# Altium PCB MainPCB.PcbDoc (part 3 of 3) (continued)
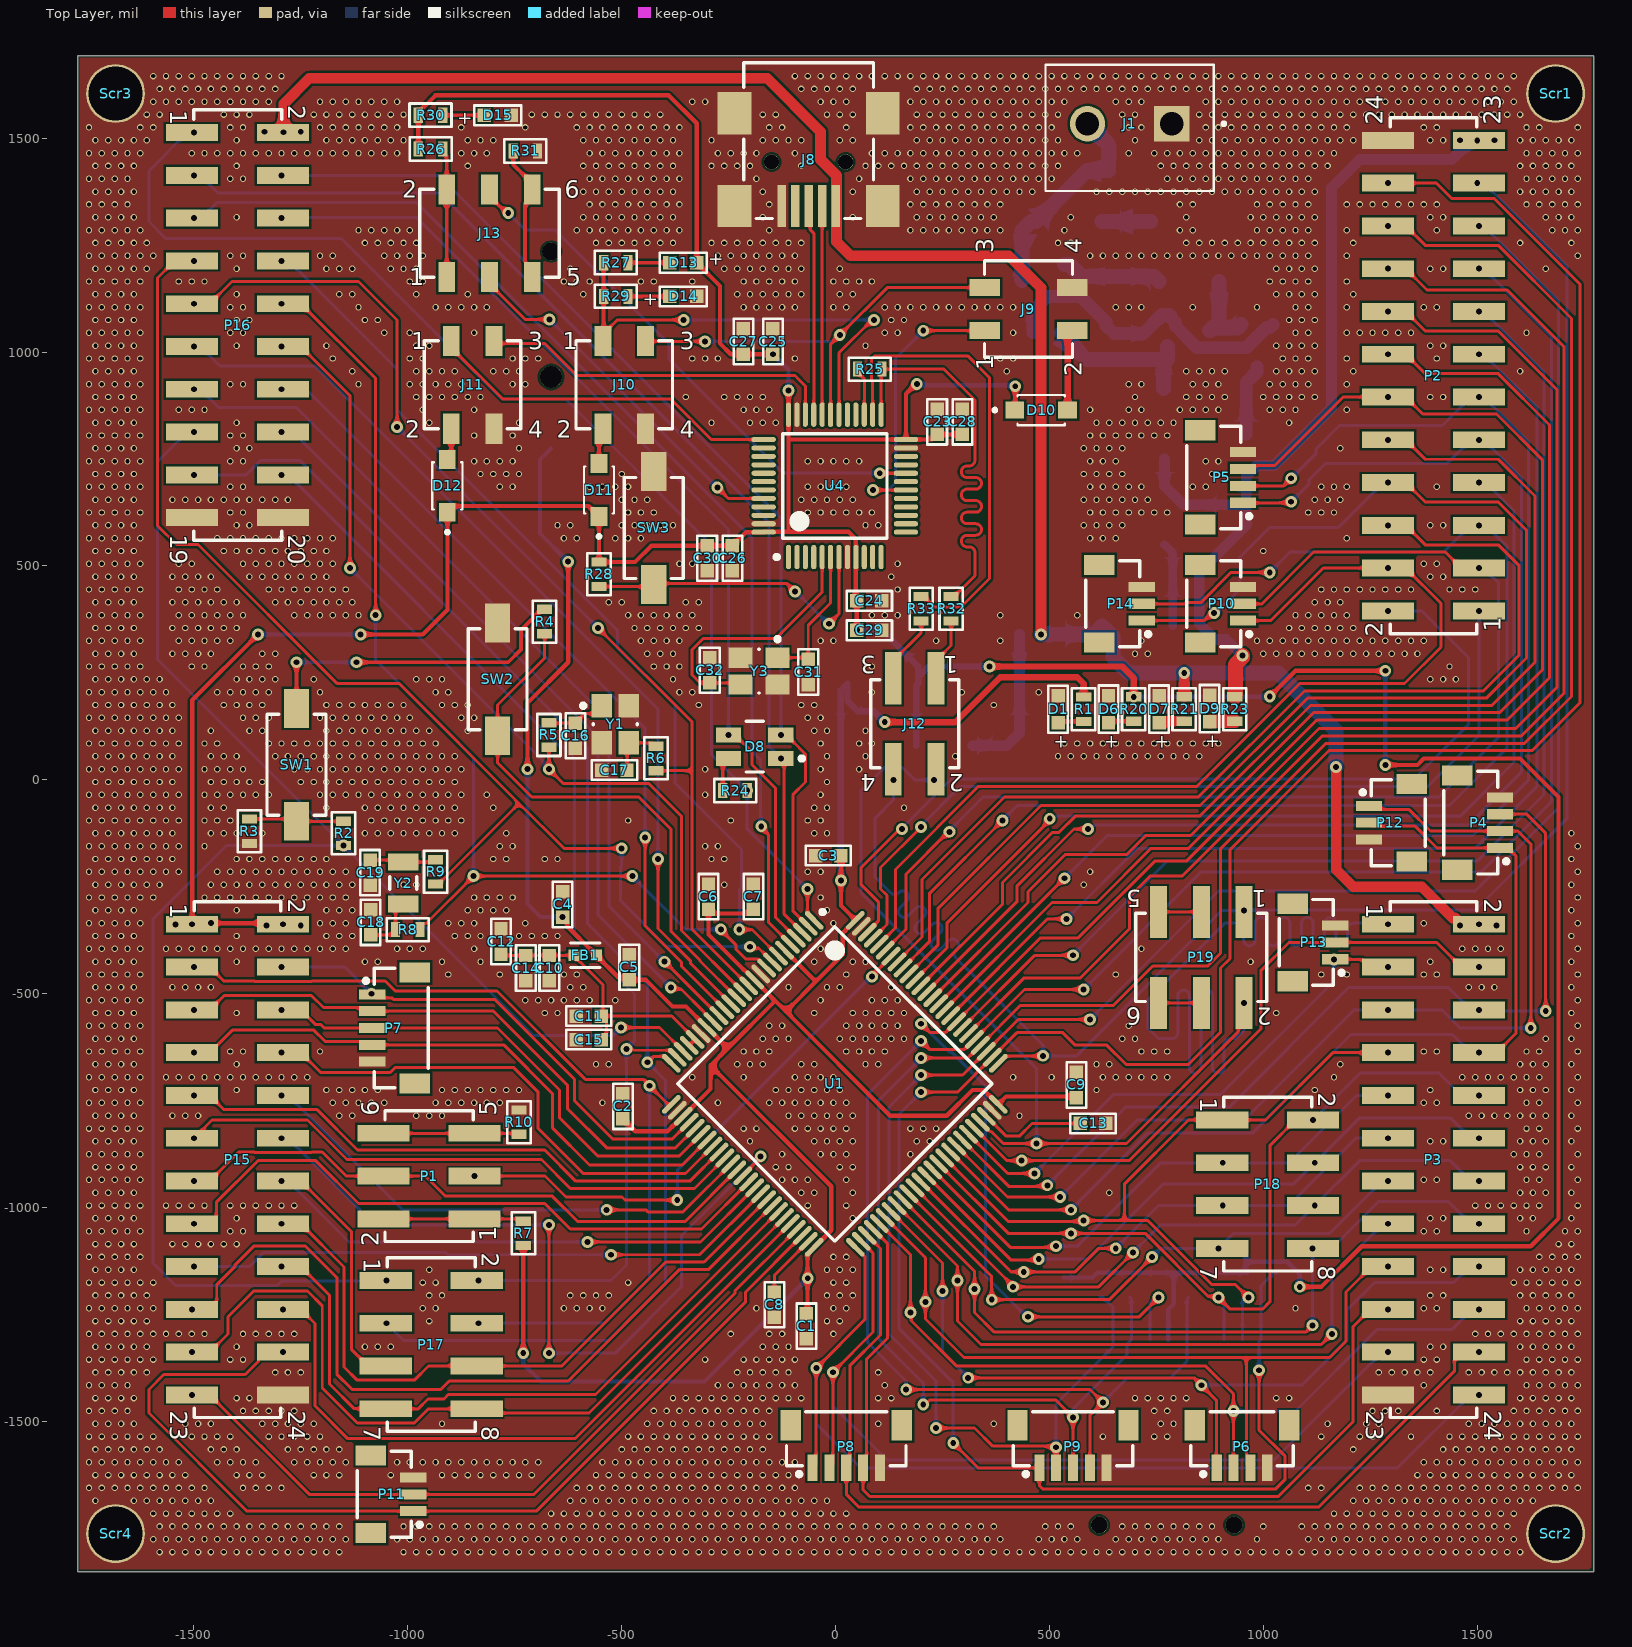
[diagram p0: Top Layer view]
## Nets (pads, with @x,y where several pads share a name; then routed paths per layer and width w, separated by ;. In a path a pad name is that pad's centre, name@x,y a point inside that pad or via, vN(x,y) a via of type N, cw(c..) or ccw(c..) an arc to the next point about the centre after c; other vN are vias at no path point) (continued)
-1550,295 -1520,295 -1490,295 -1460,295 -1340,295 -1310,295 -440,295 -410,295 -380,295 700,295 730,295 1000,295 1030,295 1060,295 1090,295 1120,295 1150,295 1180,295 1210,295 1240,295 1270,295 1300,295 1330,295 1360,295 -1745,325 -1715,325 -1685,325 -1655,325 -1625,325 -1535,325 -1505,325 -1475,325 -1445,325 -1415,325 -455,325 -425,325 -395,325 -365,325 -35,325 -5,325 235,325 385,325 715,325 985,325 1015,325 1045,325 1075,325 1105,325 1135,325 1165,325 1195,325 1225,325 1255,325 1285,325 1315,325 1345,325 1375,325 -1730,355 -1700,355 -1670,355 -1640,355 -1550,355 -1520,355 -1490,355 -1460,355 -1430,355 -1400,355 -470,355 -440,355 -410,355 -380,355 -350,355 -320,355 1060,355 1090,355 1120,355 1150,355 1180,355 1210,355 -1745,385 -1715,385 -1685,385 -1655,385 -1625,385 -1535,385 -1505,385 -1475,385 -1445,385 -1415,385 -1385,385 -1265,385 -1235,385 -1205,385 -1175,385 -1145,385 -1115,385 -485,385 -455,385 -425,385 -395,385 -365,385 -335,385 85,385 115,385 145,385 385,385 565,385 1075,385 1105,385 1135,385 1165,385 1195,385 -1730,415 -1700,415 -1670,415 -1640,415 -1550,415 -1520,415 -1490,415 -1460,415 -1430,415 -1400,415 -1310,415 -1280,415 -1250,415 -1220,415 -1190,415 -1160,415 -1130,415 -530,415 -500,415 -350,415 -320,415 1120,415 1150,415 1180,415 -1745,445 -1715,445 -1685,445 -1655,445 -1625,445 -1535,445 -1505,445 -1475,445 -1445,445 -1325,445 -1295,445 -1265,445 -1235,445 -1205,445 -1175,445 -1145,445 145,445 1135,445 1165,445 1195,445 1225,445 1255,445 1285,445 1315,445 1345,445 1435,445 1465,445 1495,445 -1730,475 -1700,475 -1670,475 -1640,475 -1550,475 -1520,475 -1490,475 -1460,475 -1370,475 -1340,475 -1310,475 -1280,475 -1250,475 -1220,475 -1190,475 130,475 1390,475 1420,475 -1745,505 -1715,505 -1685,505 -1655,505 -1625,505 -1535,505 -1505,505 -1385,505 -1355,505 -1325,505 -1295,505 -1265,505 -1235,505 -1205,505 -1175,505 -365,505 -335,505 145,505 1375,505 1405,505 -1730,535 -1700,535 -1670,535 -1640,535 -1430,535 -1400,535 -1370,535 -1340,535 -1310,535 -1280,535 -1250,535 -1220,535 -1190,535 1000,535 -1745,565 -1715,565 -1685,565 -1655,565 -1625,565 -1445,565 -1415,565 -1385,565 -1355,565 -1325,565 -1295,565 -1265,565 -1235,565 -1205,565 -1175,565 -635,565 -605,565 -515,565 -485,565 -455,565 595,565 625,565 655,565 1195,565 -1730,595 -1700,595 -1670,595 -1640,595 -1400,595 -1370,595 -650,595 -620,595 -500,595 -470,595 -440,595 -410,595 -380,595 70,595 100,595 580,595 610,595 640,595 670,595 1390,595 1420,595 -1745,625 -1715,625 -1685,625 -1655,625 -1625,625 -1415,625 -1385,625 -485,625 -455,625 -425,625 -65,625 -35,625 -5,625 25,625 55,625 85,625 595,625 625,625 655,625 685,625 715,625 745,625 775,625 1105,625 1135,625 1165,625 -1730,655 -1700,655 -1670,655 -1640,655 -1550,655 -1520,655 -1490,655 -1460,655 -1430,655 -1400,655 -1370,655 -1340,655 -1310,655 -1280,655 -500,655 -470,655 -440,655 -80,655 -50,655 -20,655 10,655 40,655 580,655 610,655 640,655 670,655 700,655 730,655 1120,655 1150,655 1180,655 -1745,685 -1715,685 -1685,685 -1655,685 -1625,685 -1415,685 -1385,685 -785,685 -755,685 -575,685 -545,685 -515,685 -485,685 -65,685 -35,685 -5,685 25,685 595,685 625,685 655,685 685,685 715,685 835,685 865,685 1135,685 1165,685 1195,685 1405,685 -1730,715 -1700,715 -1670,715 -1640,715 -830,715 -800,715 -770,715 -740,715 -500,715 580,715 610,715 640,715 670,715 880,715 -1745,745 -1715,745 -1685,745 -1655,745 -1625,745 -1415,745 -1385,745 -845,745 -815,745 -785,745 -755,745 -65,745 -35,745 -5,745 25,745 55,745 595,745 625,745 655,745 865,745 895,745 -1730,775 -1700,775 -1670,775 -1640,775 -1400,775 -1370,775 -740,775 580,775 610,775 640,775 670,775 1180,775 -1745,805 -1715,805 -1685,805 -1655,805 -1625,805 -1415,805 -1385,805 -845,805 -755,805 595,805 625,805 655,805 685,805 715,805 745,805 775,805 -1730,835 -1700,835 -1670,835 -1640,835 -1400,835 -950,835 -740,835 -290,835 -200,835 -170,835 -140,835 610,835 640,835 670,835 700,835 730,835 760,835 790,835 1060,835 -1745,865 -1715,865 -1685,865 -1655,865 -1625,865 -1535,865 -1505,865 -1475,865 -965,865 -845,865 -215,865 -185,865 -155,865 595,865 685,865 715,865 805,865 835,865 865,865 895,865 1015,865 1045,865 1075,865 1195,865 -1730,895 -1700,895 -1670,895 -1640,895 -980,895 -950,895 -920,895 -890,895 -860,895 -830,895 -350,895 -260,895 -230,895 -200,895 -170,895 700,895 820,895 850,895 880,895 910,895 1000,895 1030,895 1060,895 1090,895 1120,895 1390,895 1420,895 -1745,925 -1715,925 -1685,925 -1655,925 -1625,925 -1415,925 -1385,925 -1115,925 -995,925 -965,925 -935,925 -905,925 -875,925 -755,925 -725,925 685,925 715,925 835,925 865,925 895,925 1015,925 1045,925 1075,925 1105,925 1195,925 -1730,955 -1700,955 -1670,955 -1640,955 -1130,955 -980,955 -950,955 -920,955 -890,955 -800,955 -770,955 -740,955 400,955 820,955 850,955 880,955 910,955 1030,955 1060,955 1090,955 1120,955 1210,955 1600,955 -1745,985 -1715,985 -1685,985 -1655,985 -1625,985 -1175,985 -995,985 -965,985 -755,985 -725,985 -695,985 -335,985 -305,985 -275,985 -95,985 355,985 385,985 415,985 1045,985 1075,985 1105,985 1195,985 1405,985 -1730,1015 -1700,1015 -1670,1015 -1640,1015 -1400,1015 -1190,1015 -980,1015 -950,1015 70,1015 1030,1015 1060,1015 1090,1015 1120,1015 1390,1015 1420,1015 -1745,1045 -1715,1045 -1685,1045 -1655,1045 -1625,1045 -1415,1045 -1385,1045 -1055,1045 -995,1045 -845,1045 115,1045 145,1045 415,1045 1075,1045 1105,1045 1195,1045 1225,1045 1255,1045 1285,1045 1315,1045 1345,1045 1615,1045 -1730,1075 -1700,1075 -1670,1075 -1640,1075 -1400,1075 -1370,1075 -1100,1075 -1070,1075 130,1075 160,1075 1060,1075 1090,1075 1120,1075 -1745,1105 -1715,1105 -1685,1105 -1655,1105 -1625,1105 -1415,1105 -1385,1105 -1115,1105 -935,1105 -905,1105 -875,1105 -845,1105 -815,1105 -215,1105 -185,1105 -155,1105 -125,1105 -95,1105 -5,1105 25,1105 115,1105 145,1105 175,1105 205,1105 235,1105 265,1105 295,1105 325,1105 355,1105 385,1105 415,1105 655,1105 685,1105 715,1105 835,1105 985,1105 1075,1105 1105,1105 1195,1105 1375,1105 1405,1105 -1730,1135 -1700,1135 -1670,1135 -1640,1135 -1400,1135 -1160,1135 -1130,1135 -980,1135 -860,1135 -590,1135 -230,1135 -200,1135 -170,1135 -140,1135 -110,1135 -80,1135 10,1135 40,1135 1030,1135 1060,1135 1090,1135 1120,1135 1210,1135 -1745,1165 -1715,1165 -1685,1165 -1655,1165 -1625,1165 -1535,1165 -1505,1165 -1475,1165 -995,1165 -965,1165 -635,1165 -605,1165 -575,1165 -455,1165 -425,1165 -335,1165 -215,1165 -185,1165 -155,1165 -125,1165 -95,1165 -5,1165 25,1165 55,1165 85,1165 1015,1165 1045,1165 1075,1165 1105,1165 1195,1165 -1730,1195 -1700,1195 -1670,1195 -1640,1195 -1610,1195 -1400,1195 -1190,1195 -1160,1195 -1130,1195 -1040,1195 -1010,1195 -980,1195 -620,1195 -260,1195 -230,1195 -200,1195 -170,1195 -140,1195 -110,1195 -80,1195 10,1195 1030,1195 1060,1195 1090,1195 1120,1195 1390,1195 1420,1195 1660,1195 -1745,1225 -1715,1225 -1685,1225 -1655,1225 -1625,1225 -1595,1225 -1415,1225 -1385,1225 -1205,1225 -1175,1225 -1055,1225 -1025,1225 -995,1225 -965,1225 -275,1225 -245,1225 -215,1225 -185,1225 -155,1225 -125,1225 -95,1225 595,1225 625,1225 655,1225 685,1225 715,1225 745,1225 775,1225 805,1225 835,1225 865,1225 895,1225 925,1225 955,1225 985,1225 1015,1225 1045,1225 1075,1225 1105,1225 1195,1225 1735,1225 -1730,1255 -1700,1255 -1670,1255 -1640,1255 -1610,1255 -1100,1255 -1070,1255 -1040,1255 -1010,1255 -980,1255 -560,1255 -530,1255 -500,1255 -470,1255 -440,1255 -410,1255 -380,1255 -290,1255 -260,1255 -230,1255 -200,1255 -170,1255 -140,1255 -110,1255 -80,1255 520,1255 550,1255 820,1255 850,1255 880,1255 910,1255 940,1255 970,1255 1000,1255 1030,1255 1060,1255 1090,1255 1120,1255 1210,1255 1600,1255 1720,1255 -1745,1285 -1715,1285 -1685,1285 -1655,1285 -1625,1285 -1115,1285 -1085,1285 -1055,1285 -1025,1285 -995,1285 -605,1285 -575,1285 -545,1285 -515,1285 -485,1285 -455,1285 -425,1285 -395,1285 -365,1285 -155,1285 175,1285 205,1285 235,1285 265,1285 295,1285 325,1285 355,1285 385,1285 535,1285 805,1285 835,1285 985,1285 1015,1285 1045,1285 1075,1285 1105,1285 1195,1285 1405,1285 1675,1285 1705,1285 1735,1285 -1730,1315 -1700,1315 -1670,1315 -1640,1315 -1400,1315 -590,1315 -560,1315 -530,1315 -500,1315 -470,1315 -440,1315 -410,1315 -380,1315 -170,1315 40,1315 190,1315 220,1315 250,1315 280,1315 310,1315 340,1315 370,1315 550,1315 820,1315 970,1315 1000,1315 1030,1315 1060,1315 1090,1315 1120,1315 1390,1315 1420,1315 1660,1315 1690,1315 1720,1315 -1745,1345 -1715,1345 -1685,1345 -1655,1345 -575,1345 -545,1345 -515,1345 -485,1345 -455,1345 -425,1345 -395,1345 -365,1345 -155,1345 175,1345 205,1345 235,1345 265,1345 295,1345 325,1345 355,1345 385,1345 805,1345 835,1345 985,1345 1015,1345 1045,1345 1075,1345 1105,1345 1195,1345 1225,1345 1255,1345 1285,1345 1315,1345 1345,1345 1375,1345 1405,1345 1615,1345 1645,1345 1675,1345 1705,1345 1735,1345 -1730,1375 -1700,1375 -1670,1375 -1640,1375 -590,1375 -560,1375 -530,1375 -500,1375 -470,1375 -440,1375 -410,1375 -380,1375 -170,1375 40,1375 190,1375 220,1375 250,1375 280,1375 310,1375 340,1375 370,1375 400,1375 430,1375 460,1375 610,1375 640,1375 670,1375 700,1375 730,1375 760,1375 790,1375 820,1375 850,1375 880,1375 910,1375 940,1375 970,1375 1000,1375 1030,1375 1060,1375 1090,1375 1120,1375 1600,1375 1630,1375 1660,1375 1690,1375 1720,1375 -1745,1405 -1715,1405 -1685,1405 -1655,1405 -1415,1405 -1385,1405 -575,1405 -545,1405 -515,1405 -485,1405 -455,1405 -425,1405 -395,1405 -365,1405 -185,1405 55,1405 175,1405 205,1405 235,1405 265,1405 295,1405 325,1405 355,1405 385,1405 415,1405 445,1405 475,1405 505,1405 775,1405 805,1405 835,1405 865,1405 895,1405 925,1405 955,1405 985,1405 1015,1405 1045,1405 1075,1405 1105,1405 1615,1405 1645,1405 1675,1405 1705,1405 1735,1405 -1730,1435 -1700,1435 -1670,1435 -1640,1435 -1400,1435 -860,1435 -590,1435 -560,1435 -530,1435 -500,1435 -470,1435 -440,1435 -410,1435 -380,1435 -290,1435 -260,1435 -230,1435 -200,1435 -80,1435 70,1435 100,1435 130,1435 160,1435 190,1435 220,1435 250,1435 280,1435 310,1435 340,1435 370,1435 400,1435 430,1435 460,1435 490,1435 520,1435 760,1435 790,1435 820,1435 850,1435 880,1435 910,1435 940,1435 970,1435 1000,1435 1030,1435 1060,1435 1090,1435 1120,1435 1150,1435 1600,1435 1630,1435 1660,1435 1690,1435 1720,1435 -1745,1465 -1715,1465 -1685,1465 -1655,1465 -1625,1465 -1505,1465 -1475,1465 -1445,1465 -1415,1465 -1385,1465 -1355,1465 -1325,1465 -1295,1465 -1265,1465 -1235,1465 -1205,1465 -1175,1465 -1145,1465 -1115,1465 -1085,1465 -1055,1465 -1025,1465 -875,1465 -845,1465 -815,1465 -575,1465 -545,1465 -515,1465 -485,1465 -455,1465 -425,1465 -395,1465 -365,1465 -275,1465 -245,1465 -215,1465 -185,1465 -95,1465 85,1465 115,1465 145,1465 175,1465 205,1465 235,1465 265,1465 295,1465 325,1465 355,1465 385,1465 415,1465 445,1465 475,1465 505,1465 535,1465 565,1465 685,1465 745,1465 775,1465 805,1465 835,1465 865,1465 895,1465 925,1465 955,1465 985,1465 1015,1465 1045,1465 1075,1465 1105,1465 1135,1465 1165,1465 1615,1465 1645,1465 1675,1465 1705,1465 1735,1465 -1730,1495 -1700,1495 -1670,1495 -1640,1495 -1610,1495 -1400,1495 -1190,1495 -1160,1495 -1130,1495 -1100,1495 -1070,1495 -1040,1495 -1010,1495 -860,1495 -830,1495 -800,1495 -590,1495 -560,1495 -530,1495 -500,1495 -470,1495 -440,1495 -410,1495 -380,1495 -290,1495 -170,1495 -140,1495 -110,1495 -80,1495 10,1495 40,1495 190,1495 220,1495 250,1495 280,1495 310,1495 340,1495 370,1495 400,1495 430,1495 460,1495 490,1495 520,1495 700,1495 850,1495 880,1495 910,1495 940,1495 970,1495 1000,1495 1030,1495 1060,1495 1090,1495 1120,1495 1150,1495 1180,1495 1210,1495 1390,1495 1420,1495 1600,1495 1630,1495 1660,1495 1690,1495 1720,1495 -1745,1525 -1625,1525 -1595,1525 -1415,1525 -1385,1525 -1205,1525 -1175,1525 -1145,1525 -1115,1525 -1085,1525 -1055,1525 -1025,1525 -875,1525 -725,1525 -605,1525 -575,1525 -545,1525 -515,1525 -485,1525 -455,1525 -425,1525 -395,1525 -365,1525 -155,1525 -125,1525 25,1525 175,1525 205,1525 235,1525 265,1525 295,1525 325,1525 355,1525 385,1525 415,1525 445,1525 475,1525 505,1525 685,1525 715,1525 865,1525 895,1525 925,1525 955,1525 985,1525 1015,1525 1045,1525 1075,1525 1105,1525 1135,1525 1165,1525 1195,1525 1375,1525 1405,1525 1615,1525 1645,1525 1735,1525 -1610,1555 -1580,1555 -1430,1555 -1400,1555 -1370,1555 -1220,1555 -1190,1555 -1160,1555 -1130,1555 -1100,1555 -1070,1555 -1040,1555 -1010,1555 -710,1555 -680,1555 -650,1555 -620,1555 -590,1555 -560,1555 -530,1555 -500,1555 -470,1555 -440,1555 -410,1555 -170,1555 -140,1555 -20,1555 10,1555 40,1555 190,1555 220,1555 250,1555 280,1555 310,1555 340,1555 370,1555 400,1555 430,1555 460,1555 490,1555 520,1555 670,1555 700,1555 850,1555 880,1555 910,1555 940,1555 970,1555 1000,1555 1030,1555 1060,1555 1090,1555 1120,1555 1150,1555 1180,1555 1210,1555 1240,1555 1270,1555 1300,1555 1330,1555 1360,1555 1390,1555 1420,1555 1450,1555 1480,1555 1510,1555 1540,1555 1570,1555 1600,1555 -1595,1585 -1565,1585 -1535,1585 -1505,1585 -1475,1585 -1445,1585 -1415,1585 -1385,1585 -1355,1585 -1325,1585 -1205,1585 -1175,1585 -1145,1585 -1115,1585 -1085,1585 -1055,1585 -1025,1585 -335,1585 -305,1585 -35,1585 -5,1585 25,1585 175,1585 205,1585 235,1585 265,1585 295,1585 325,1585 355,1585 385,1585 415,1585 445,1585 475,1585 505,1585 535,1585 655,1585 685,1585 715,1585 865,1585 895,1585 925,1585 955,1585 985,1585 1015,1585 1045,1585 1075,1585 1105,1585 1135,1585 1165,1585 1195,1585 1225,1585 1255,1585 1285,1585 1315,1585 1345,1585 1375,1585 1405,1585 1435,1585 1465,1585 1495,1585 1525,1585 1555,1585 1585,1585 -1580,1615 -1550,1615 -1520,1615 -1490,1615 -1460,1615 -1430,1615 -1400,1615 -1370,1615 -1340,1615 -1310,1615 -80,1615 -50,1615 -20,1615 10,1615 40,1615 190,1615 220,1615 250,1615 280,1615 310,1615 340,1615 370,1615 400,1615 430,1615 460,1615 490,1615 520,1615 550,1615 580,1615 610,1615 640,1615 670,1615 700,1615 730,1615 760,1615 790,1615 820,1615 850,1615 880,1615 910,1615 940,1615 970,1615 1000,1615 1030,1615 1060,1615 1090,1615 1120,1615 1150,1615 1180,1615 1210,1615 1240,1615 1270,1615 1300,1615 1330,1615 1360,1615 1390,1615 1420,1615 1450,1615 1480,1615 1510,1615 1540,1615 1570,1615 -1595,1645 -1565,1645 -1535,1645 -1505,1645 -1475,1645 -1445,1645 -1415,1645 -1385,1645 -1355,1645 -1325,1645 -1295,1645 -95,1645 -65,1645 -35,1645 -5,1645 25,1645 55,1645 85,1645 115,1645 145,1645 175,1645 205,1645 235,1645 265,1645 295,1645 325,1645 355,1645 385,1645 415,1645 445,1645 475,1645 505,1645 535,1645 565,1645 595,1645 625,1645 655,1645 685,1645 715,1645 745,1645 775,1645 805,1645 835,1645 865,1645 895,1645 925,1645 955,1645 985,1645 1015,1645 1045,1645 1075,1645 1105,1645 1135,1645 1165,1645 1195,1645 1225,1645 1255,1645 1285,1645 1315,1645 1345,1645 1375,1645 1405,1645 1435,1645 1465,1645 1495,1645 1525,1645 1555,1645 1585,1645
H0: J7.10 P16.9 R6.2 U1.12 | length 2520
  Top Layer w7: P16.9@-1503.94,1112.99 v2(-1500,1112.99) -1462.6,1112.99 -1410.59,1165 -1115,1165 -1025,1075 v2(-1025,825) ; v2(-555,355) -335,135 -335,21.46 ; R6.2@-420,21.46 -335,21.46 ; U1.12@-202.91,-481.46 -203.3,-481.46 -335,-349.76 -335,21.46
  Bottom Layer w7: v2(-1025,825) v2(-555,355)
H1: J7.11 P16.12 R5.1 U1.13 | length 2146.3
  Top Layer w7: P16.12@-1291.34,1012.99 -1250,1012.99 -1135,897.99 v2(-1135,495) ; R5.1@-670,76.46 v2(-670,25) -637,-8 -437,-8 -360,-85 -360,-352.2 U1.13@-216.83,-495.38
  Bottom Layer w7: v2(-1135,495) -670,30 v2(-670,25)
  other v2: -1295.28,1012.99
HD_5V: F2.1 J4.1 J7.1 J8.1 P3.2 P16.2 R21.2 U3.3 | length 4559.9
  Top Layer w25: P16.2@-1291.34,1512.99 -1290,1514.33 -1290,1580 -1230,1640 -160,1640 -35,1515 -35,1450 2.17,1412.83 J8.1@2.17,1341.73 ; J8.1@2.15,1341.71 2.15,1257.85 35,1225 405,1225 480,1150 v2(480,340) ; v2(815,250) 815,194.25 R21.2@815.16,194.09 ; v2(1170,30) 1170,-210 1210,-250 1370,-250 1442.91,-322.91 1447.91,-322.91 1460,-335 v2(1460,-340)
  Bottom Layer w35: v2(480,340) 480.35,340.35 U3.3@520.16,340.35 603.35,340.35 F2.1@623,360 648,335 648,287 685,250 v2(815,250) 1035,250 1170,115 v2(1170,30)
  other v2: 1545,-340 1503.94,-337.6 -1290.67,1513.66 -1335,1515 -1250,1515
HD_Vin: F1.1 J3.24 P2.23 R23.2 U2.1 | length 2065.5
  Top Layer w35: R23.2@933.27,194.09 933.27,198.19 935,199.92 935,269.97 950.92,285.89 v2(950.92,290.64)
  Bottom Layer w25: U2.1@768.78,750 768.78,687.41 813.19,643 F1.1@960,643 ; v2(950.92,290.64) 913.49,328.06 886.94,328.06 850,365 850,485 960,595 F1.1@960,643 ; v2(1500,1494.88) 1484.25,1494.88 1469.57,1480.2 1469.57,1479.57 1440,1450 1225,1450 1159.05,1384.05 1159.05,869.05 1025,735 985,735 960,710 F1.1@960,643
  other v2: 1460,1495 1540,1495
LED_STLINK: J10.1 R27.1 R29.1 U4.30 | length 1087.4
  Top Layer w7: J10.1@-543.9,1025.79 -543.9,1041.54 -542.13,1043.31 -510.43,1075 v2(-355,1075) ; U4.30@8.07,853.54 8.07,998.07 85,1075 v2(90,1075)
  Top Layer w9: J10.1@-542.13,1043.31 R29.1@-542.13,1130.12 R27.1@-542.13,1208.86
  Bottom Layer w7: v2(-355,1075) v2(90,1075)
M_MCU_BOOT0: P1.3 U1.94 | length 1276.2
  Top Layer w7: v2(-843.9,-926.1) -678.9,-926.1 -630,-975 -498.92,-975 -491.64,-982.28 v2(-370,-982.28) ; v2(85,-460) 85,-457.93 129.77,-413.16 U1.94@129.77,-411.86
  Bottom Layer w7: v2(-370,-982.28) -370,-912.32 82.32,-460 v2(85,-460)
MCU-RESET: R4.1 SW2.2 U1.14 | length 1274.4
  Top Layer w7: R4.1@-680,341.46 -680,285 -790,175 SW2.2@-790,103.11 -790,40 -710,-40 -460,-40 -385,-115 -385,-353.34 -316.66,-421.68 -316.66,-423.38 U1.14@-230.75,-509.3
NetC8_2: C8.2 U1.49 | length 151.7
  Top Layer w7: C8.2@-143,-1197.47 -143,-1158.28 -63.71,-1079 U1.49@-63.71,-1078.6
NetC13_2: C13.2 U1.73 | length 251.8
  Top Layer w7: U1.73@352.48,-786.29 399.18,-833 429.44,-833 459.44,-803 C13.2@572.47,-803
NetC16_2: C16.2 R5.2 Y1.1 | length 140.8
  Top Layer w7: R5.2@-670,133.54 -668.98,132.53 C16.2@-608,132.53 -585.85,154.68 -565.13,154.68 Y1.1@-546.5,173.31
NetC17_2: C17.2 R6.1 Y1.3 | length 132.2
  Top Layer w7: C17.2@-487.47,23 -487.47,82.72 Y1.3@-483.5,86.69 -437.13,86.69 -436.3,85.87 -427.33,85.87 R6.1@-420,78.54
NetC18_2: C18.2 R8.2 Y2.1 | length 134.7
  Top Layer w7: C18.2@-1087,-362.53 -1035.87,-362.53 -1028.54,-355.2 R8.2@-1028.54,-350 -1028.54,-306.66 -1012.36,-290.47 Y2.1@-1010.59,-290.47
NetC19_2: C19.2 R9.1 Y2.2 | length 157.2
  Top Layer w7: C19.2@-1088,-187.47 -1015.17,-187.47 Y2.2@-1010.59,-192.05 -940.59,-192.05 R9.1@-935,-186.46
NetC20_2: C20.2 D2.C J1.2 Q1.3 | length 508.5
  Bottom Layer w35: Q1.3@436.18,1167.4 436.18,1168.82 435,1170 436.18,1171.18 436.18,1284.45 D2.C@456.73,1305 468.94,1305 587.94,1424 C20.2@638.6,1424 638.6,1483.84 J1.2@588.78,1533.66
NetD1_2: D1.2 R1.1 | length 61.2
  Top Layer w9: D1.2@520,133.5 522.95,136.46 R1.1@580,136.46
NetD2_A: D2.A D4.A | length 113.5
  Bottom Layer w35: D2.A@623.27,1305 D4.A@736.73,1305
NetD3_A: D3.A Q1.1 R12.2 | length 238
  Bottom Layer w35: Q1.1@535,1204.8 547.2,1204.8 575.08,1176.93 D3.A@660,1176.93 744.61,1176.93 R12.2@756.54,1165
NetD3_K: D3.K Q1.2 Q2.2 Q3.2 R11.2 | length 748.8
  Bottom Layer w30: R11.2@461.54,1045 461.54,1096.54 495,1130 573.07,1130 632.09,1070.98 632.09,1061.62 650.65,1043.07 D3.K@660,1043.07 719.06,1043.07 763.39,1087.4 781.02,1087.4 784.41,1084.02 784.41,1079.02 794.41,1069.02 794.41,1060.59 845,1010 960,1010 1008.09,1058.09 1016.52,1058.09 1022.4,1063.98 Q2.2@1022.4,1064.41
NetD5_K: D5.K Q3.1 R11.1 | length 364.4
  Bottom Layer w35: R11.1@528.46,1045 532.62,1040.85 532.62,1036.91 545.12,1024.41 587.43,982.1 775.59,982.1 Q3.1@775.59,1012.6 ; D5.K@766.93,915 766.93,973.44
NetD6_2: D6.2 R20.1 | length 60.3
  Top Layer w9: D6.2@637.99,134.06 640.94,137.01 R20.1@697.05,137.01
NetD7_2: D7.2 R21.1 | length 60.3
  Top Layer w22.5: D7.2@756.1,134.06 759.06,137.01 R21.1@815.16,137.01
NetD8_1: D8.1 R24.2 | length 80.8
  Top Layer w9: R24.2@-263.54,-25 -263.54,36.78 -250.33,50 D8.1@-250,50
NetD9_2: D9.2 R23.1 | length 59.8
  Top Layer w31.5: D9.2@874.21,135.31 875.91,137.01 R23.1@933.27,137.01
NetD10_A: D10.A J9.2 | length 190.8
  Top Layer w15: D10.A@542.32,864.37 542.32,1039.57 J9.2@553.35,1050.59
NetD11_A: D11.A J10.2 | length 85.6
  Top Layer w9: D11.A@-552.95,739.17 -552.95,812.01 J10.2@-543.9,821.06
NetD12_A: D12.A J11.2 | length 75.8
  Top Layer w9: D12.A@-907.28,749.02 -898.23,758.07 J11.2@-898.23,821.06
NetD13_1: D13.1 R27.2 | length 97.4
  Top Layer w9: R27.2@-485.04,1208.86 D13.1@-387.6,1208.86
NetD14_2: D14.2 R29.2 | length 97.4
  Top Layer w9: R29.2@-485.04,1130.12 D14.2@-387.6,1130.12
NetD15_2: D15.2 R30.2 | length 97.4
  Top Layer w9: R30.2@-918.11,1553.35 D15.2@-820.67,1553.35
NetF1_0: F1.0 Q2.3 | length 167.5
  Bottom Layer w30: F1.0@960,808.41 960,928.39 985,953.39 Q2.3@985,965.59
NetF2_0: F2.0 U2.2 | length 198.1
  Bottom Layer w20: U2.2@768.78,550 788.41,530.37 F2.0@788.41,360
NetF3_0: F3.0 U3.2 U3.4 | length 352
  Bottom Layer w25: F3.0@321,80 400.35,80 U3.4@430,109.65 U3.2@430,340.35
NetJ12_1: J12.1 R32.2 | length 148.4
  Top Layer w7: J12.1@235,237.6 235,278.94 270,313.94 R32.2@270,371.46
NetJ12_3: J12.3 R33.2 | length 160.8
  Top Layer w7: J12.3@135,237.6 135,278.94 200,343.94 R33.2@200,371.46
NetJ13_1: J13.1 J13.2 R26.1 | length 303
  Top Layer w9: R26.1@-918.11,1474.61 -918.11,1467.72 -908.86,1458.46 J13.2@-908.86,1380.12 J13.1@-908.86,1175.39
NetJ13_5: J13.5 J13.6 R31.2 | length 328.3
  Top Layer w9: R31.2@-753.54,1470 -753.54,1438.78 -725.81,1411.05 -724.04,1411.05 -708.86,1395.87 J13.6@-708.86,1380.12 -708.86,1364.37 -725.92,1347.31 -725.92,1212.99 -724.04,1211.12 -724.04,1190.58 J13.5@-708.86,1175.39
NetP1_1: P1.1 P1.2 R7.1 | length 328.7
  Top Layer w7: P1.2@-1056.5,-1026.1 P1.1@-843.9,-1026.1 -735.35,-1026.1 R7.1@-730,-1031.46
NetP1_5: P1.5 P1.6 R10.2 | length 317.5
  Top Layer w7: P1.6@-1056.5,-826.1 P1.5@-843.9,-826.1 -742.44,-826.1 R10.2@-740,-828.54
NetP19_3: P19.3 P19.5 | length 100
  Top Layer w7: P19.5@755,-308.7 P19.3@855,-308.7
NetP19_4: P19.4 P19.6 | length 100
  Top Layer w7: P19.6@755,-521.3 P19.4@855,-521.3
NetQ2_1: Q2.1 Q3.3 R13.2 | length 203.8
  Bottom Layer w35: R13.2@896.54,1165 896.54,1071.69 874.84,1050 Q3.3@874.41,1050 880.3,1055.89 939.51,1055.89 947.6,1063.98 Q2.1@947.6,1064.41
NetR2_2: R2.2 R3.2 SW1.1 | length 222.4
  Top Layer w7: R3.2@-1370,-91.46 -1265.43,-91.46 SW1.1@-1260,-96.89 -1150.43,-96.89 R2.2@-1150,-96.46
NetR25_2: R25.2 U4.27 | length 112.9
  Top Layer w7: R25.2@51.46,960 51.46,953.11 67.13,937.44 U4.27@67.13,853.54
RST-STM8: J9.1 U4.18 | length 662.9
  Top Layer w7: v2(87.36,677.36) U4.18@164.57,677.36 ; v2(205,1050) 348.03,1050 J9.1@348.62,1050.59
  Bottom Layer w7: v2(87.36,677.36) 122.36,677.36 140,695 140,985 v2(205,1050)
STL-RESET: R28.1 SW3.2 U4.7 | length 745.3
  Top Layer w7: R28.1@-552.95,451.97 SW3.2@-429.92,451.97 ; SW3.2@-425,456.89 -422.78,459.11 -114.11,459.11 v2(-95,440) ; v2(-15,365) 8.07,388.07 U4.7@8.07,520.87
  Top Layer w9: SW3.2@-429.92,451.97 SW3.2@-425,456.89
  Bottom Layer w7: v2(-95,440) -92.5,440 -17.5,365 v2(-15,365)
STL_BOOT0: J13.3 U4.44 | length 864.4
  Top Layer w7: J13.3@-808.86,1175.39 -808.86,1159.65 -725.4,1076.19 v2(-668.81,1076.19) ; v2(-276.31,683.69) -250.58,657.96 -168.39,657.96 U4.44@-168.11,657.68
  Bottom Layer w7: v2(-668.81,1076.19) v2(-276.31,683.69)
STL_BOOT1: J13.4 U4.20 | length 1277.9
  Top Layer w7: J13.4@-808.86,1380.12 -808.86,1364.37 -769.49,1325 v2(-765,1325) ; v2(103.27,716.73) U4.20@164.57,716.73
  Bottom Layer w7: v2(-765,1325) -725,1285 -655,1285 -388.99,1018.99 -388.99,983.99 -121.73,716.73 v2(103.27,716.73)
STL_OSC_IN: C32.2 U4.5 Y3.3 | length 623.6
  Top Layer w7: Y3.3@-222.24,222.64 -226.21,226.61 C32.2@-294.05,226.61 -316.61,226.61 -335,245 -335,305 -310,330 -140.27,330 -31.3,438.97 -31.3,496.01 -30,497.31 U4.5@-30,520.87
STL_OSC_OUT: C31.2 U4.6 Y3.1 | length 334.5
  Top Layer w7: Y3.1@-135.63,285.63 -67.8,285.63 C31.2@-63.83,281.66 -63.83,361.17 -11.61,413.39 -11.61,496.01 -11,496.62 U4.6@-11,520.87
STL_RX: J9.3 J10.3 U4.31 | length 1040.3
  Top Layer w7: J10.3@-443.9,1025.79 -443.11,1025 v2(-305,1025) ; U4.31@-11.61,853.54 -11.61,1018.39 v2(10,1040) 120.59,1150.59 J9.3@348.62,1150.59
  Bottom Layer w7: v2(-305,1025) -5,1025 v2(10,1040)
STL_SWCLK: J11.1 U4.37 | length 834.7
  Top Layer w7: J11.1@-898.23,1025.79 -898.23,1010.04 -778.19,890 -385,890 -290.47,795.47 U4.37@-168.11,795.47
STL_SWDIO: J11.3 U4.34 | length 838.2
  Top Layer w7: J11.3@-798.23,1025.79 -792.44,1020 -680,1020 -605,945 -95,945 -86.42,936.42 -70.67,920.67 U4.34@-70.67,853.54
STM32_SWCLK: R33.1 U4.26 | length 1097.9
  Top Layer w7: U4.26@86.81,853.54 86.81,929.56 84.22,932.15 84.22,983.31 92.12,991.22 308.78,991.22 360,940 360,470.91 293.31,404.22 231.22,404.22 206.89,428.54 R33.1@200,428.54
STM32_SWDIO: R25.1 R32.1 U4.25 | length 1095.4
  Top Layer w7: U4.25@106.5,853.54 106.5,957.95 R25.1@108.54,960 253.46,960 325.75,887.71 325.75,777.69 325.75,747.19 cw(c312.25,747.19) 312.25,733.69 307.36,733.69 ccw(c307.36,720.19) 307.36,706.69 327.61,706.69 cw(c327.61,693.19) 327.61,679.69 307.36,679.69 ccw(c307.36,666.19) 307.36,652.69 327.61,652.69 cw(c327.61,639.19) 327.61,625.69 307.36,625.69 ccw(c307.36,612.19) 307.36,598.69 327.61,598.69 cw(c327.61,585.19) 327.61,571.69 307.36,571.69 ccw(c307.36,558.19) 307.36,544.69 312.25,544.69 cw(c312.25,531.19) 325.75,531.19 325.75,505.72 325.75,477.41 276.89,428.54 R32.1@270,428.54
pads on no net: J2. J5. J8.4 J8.MH1 J8.MH2 P4.MP1 P4.MP2 P5.MP1 P5.MP2 P6.MP1 P6.MP2 P7.MP1 P7.MP2 P8.MP1 P8.MP2 P9.MP1 P9.MP2 P10.MP1 P10.MP2 P11.MP1 P11.MP2 P12.MP1 P12.MP2 P13.MP1 P13.MP2 P14.MP1 P14.MP2 U4.1 U4.2 U4.3 U4.4 U4.10 U4.11 U4.12 U4.13 U4.14 U4.15 U4.16 U4.17 U4.19 U4.21 U4.22 U4.28 U4.29 U4.38 U4.39 U4.40 U4.41 U4.42 U4.43 U4.45 U4.46

## Polygon pours and split planes (outlines as drawn)
NetF3_0 on Bottom Layer "NETF3_0_L02_P002" (solid, pour order 2): 525,225 395,225 285,115 285,20 525,20
GND on Bottom Layer "GND_L02_P001" (solid, pour order 1): 1766.95,-1847.05 1766.25,-1846.35 1766.25,1687.78 1766.03,1688 -1766.63,1688 -1766.66,1687.98 -1766.66,-1845.25
GND on Top Layer "GND_L01_P000" (solid, pour order 0): 1766.78,-1845.64 1766.47,-1845.32 1766.47,1687.82 1766.42,1687.87 -1766.54,1687.87 -1766.68,1687.72 -1766.68,-1845.32

## Silkscreen, mask and mechanical layers (free items; w line width, h text height)
Drill Guide:
  the board outline again, w10

## Text inside footprints (layer, text, board x,y; h text height)
D1: Top Overlay "+" at 510,75 h30
D6: Top Overlay "+" at 627.99,75.55 h30
D7: Top Overlay "+" at 746.1,75.55 h30
D9: Top Overlay "+" at 864.21,76.81 h30
D13: Top Overlay "+" at -266.1,1198.86 h30 r90
D14: Top Overlay "+" at -446.1,1140.12 h30 r270
D15: Top Overlay "+" at -879.17,1563.35 h30 r270
J3: Bottom Overlay "2" at 1480.31,291.34 h40 r270; Bottom Overlay "1" at 1275.59,307.09 h40 r270; Bottom Overlay "23" at 1275.59,1574.8 h40 r270; Bottom Overlay "24" at 1480.31,1570.87 h40 r270
J4: Bottom Overlay "24" at 1314.96,-1513.58 h40 r90; Bottom Overlay "23" at 1519.69,-1517.52 h40 r90; Bottom Overlay "1" at 1519.69,-249.8 h40 r90; Bottom Overlay "2" at 1314.96,-234.06 h40 r90
J6: Bottom Overlay "24" at -1480.32,-1513.58 h40 r90; Bottom Overlay "23" at -1275.59,-1517.52 h40 r90; Bottom Overlay "1" at -1275.59,-249.8 h40 r90; Bottom Overlay "2" at -1480.32,-234.06 h40 r90
J7: Bottom Overlay "20" at -1480.32,537.01 h40 r90; Bottom Overlay "19" at -1275.59,533.07 h40 r90; Bottom Overlay "1" at -1275.59,1600.79 h40 r90; Bottom Overlay "2" at -1480.32,1616.54 h40 r90
J9: Top Overlay "3" at 368.31,1230.51 h40 r90; Top Overlay "1" at 368.31,956.89 h40 r90; Top Overlay "4" at 575,1230.51 h40 r90; Top Overlay "2" at 575,943.11 h40 r90
J10: Top Overlay "3" at -363.98,1006.1 h40; Top Overlay "1" at -637.6,1006.1 h40; Top Overlay "4" at -363.98,799.41 h40; Top Overlay "2" at -651.38,799.41 h40
J11: Top Overlay "3" at -718.31,1006.1 h40; Top Overlay "1" at -991.93,1006.1 h40; Top Overlay "4" at -718.31,799.41 h40; Top Overlay "2" at -1005.71,799.41 h40
J12: Top Overlay "2" at 299.17,13.19 h40 r180; Top Overlay "4" at 94.45,13.19 h40 r180; Top Overlay "3" at 94.45,288.78 h40 r180; Top Overlay "1" at 287.36,288.78 h40 r180
J13: Top Overlay "6" at -632.87,1360.43 h40; Top Overlay "5" at -628.94,1155.71 h40; Top Overlay "2" at -1012.4,1360.43 h40; Top Overlay "1" at -996.65,1155.71 h40
P1: Top Overlay "2" at -1068.31,-1090.28 h40 r90; Top Overlay "1" at -792.72,-1078.46 h40 r90; Top Overlay "5" at -792.72,-785.55 h40 r90; Top Overlay "6" at -1068.31,-785.55 h40 r90
P2: Top Overlay "1" at 1555.12,346.46 h40 r90; Top Overlay "2" at 1279.53,334.65 h40 r90; Top Overlay "23" at 1555.12,1531.5 h40 r90; Top Overlay "24" at 1279.53,1531.5 h40 r90
P3: Top Overlay "1" at 1240.16,-289.17 h40 r270; Top Overlay "2" at 1515.75,-277.36 h40 r270; Top Overlay "23" at 1240.16,-1474.21 h40 r270; Top Overlay "24" at 1515.75,-1474.21 h40 r270
P15: Top Overlay "24" at -1279.53,-1474.21 h40 r270; Top Overlay "23" at -1555.12,-1474.21 h40 r270; Top Overlay "2" at -1279.53,-277.36 h40 r270; Top Overlay "1" at -1555.12,-289.17 h40 r270
P16: Top Overlay "20" at -1279.53,572.44 h40 r270; Top Overlay "19" at -1555.12,572.44 h40 r270; Top Overlay "1" at -1555.12,1565.35 h40 r270; Top Overlay "2" at -1279.53,1577.17 h40 r270
P17: Top Overlay "8" at -826.89,-1510.55 h40 r270; Top Overlay "7" at -1102.48,-1510.55 h40 r270; Top Overlay "1" at -1102.48,-1117.64 h40 r270; Top Overlay "2" at -826.89,-1105.83 h40 r270
P18: Top Overlay "8" at 1128.11,-1135.55 h40 r270; Top Overlay "7" at 852.52,-1135.55 h40 r270; Top Overlay "1" at 852.52,-742.64 h40 r270; Top Overlay "2" at 1128.11,-730.83 h40 r270
P19: Top Overlay "2" at 1019.17,-533.11 h40 r180; Top Overlay "1" at 1007.36,-257.52 h40 r180; Top Overlay "5" at 714.45,-257.52 h40 r180; Top Overlay "6" at 714.45,-533.11 h40 r180